# Altium PCB PS29_XYD.PCBDOC (part 2 of 3) (continued)
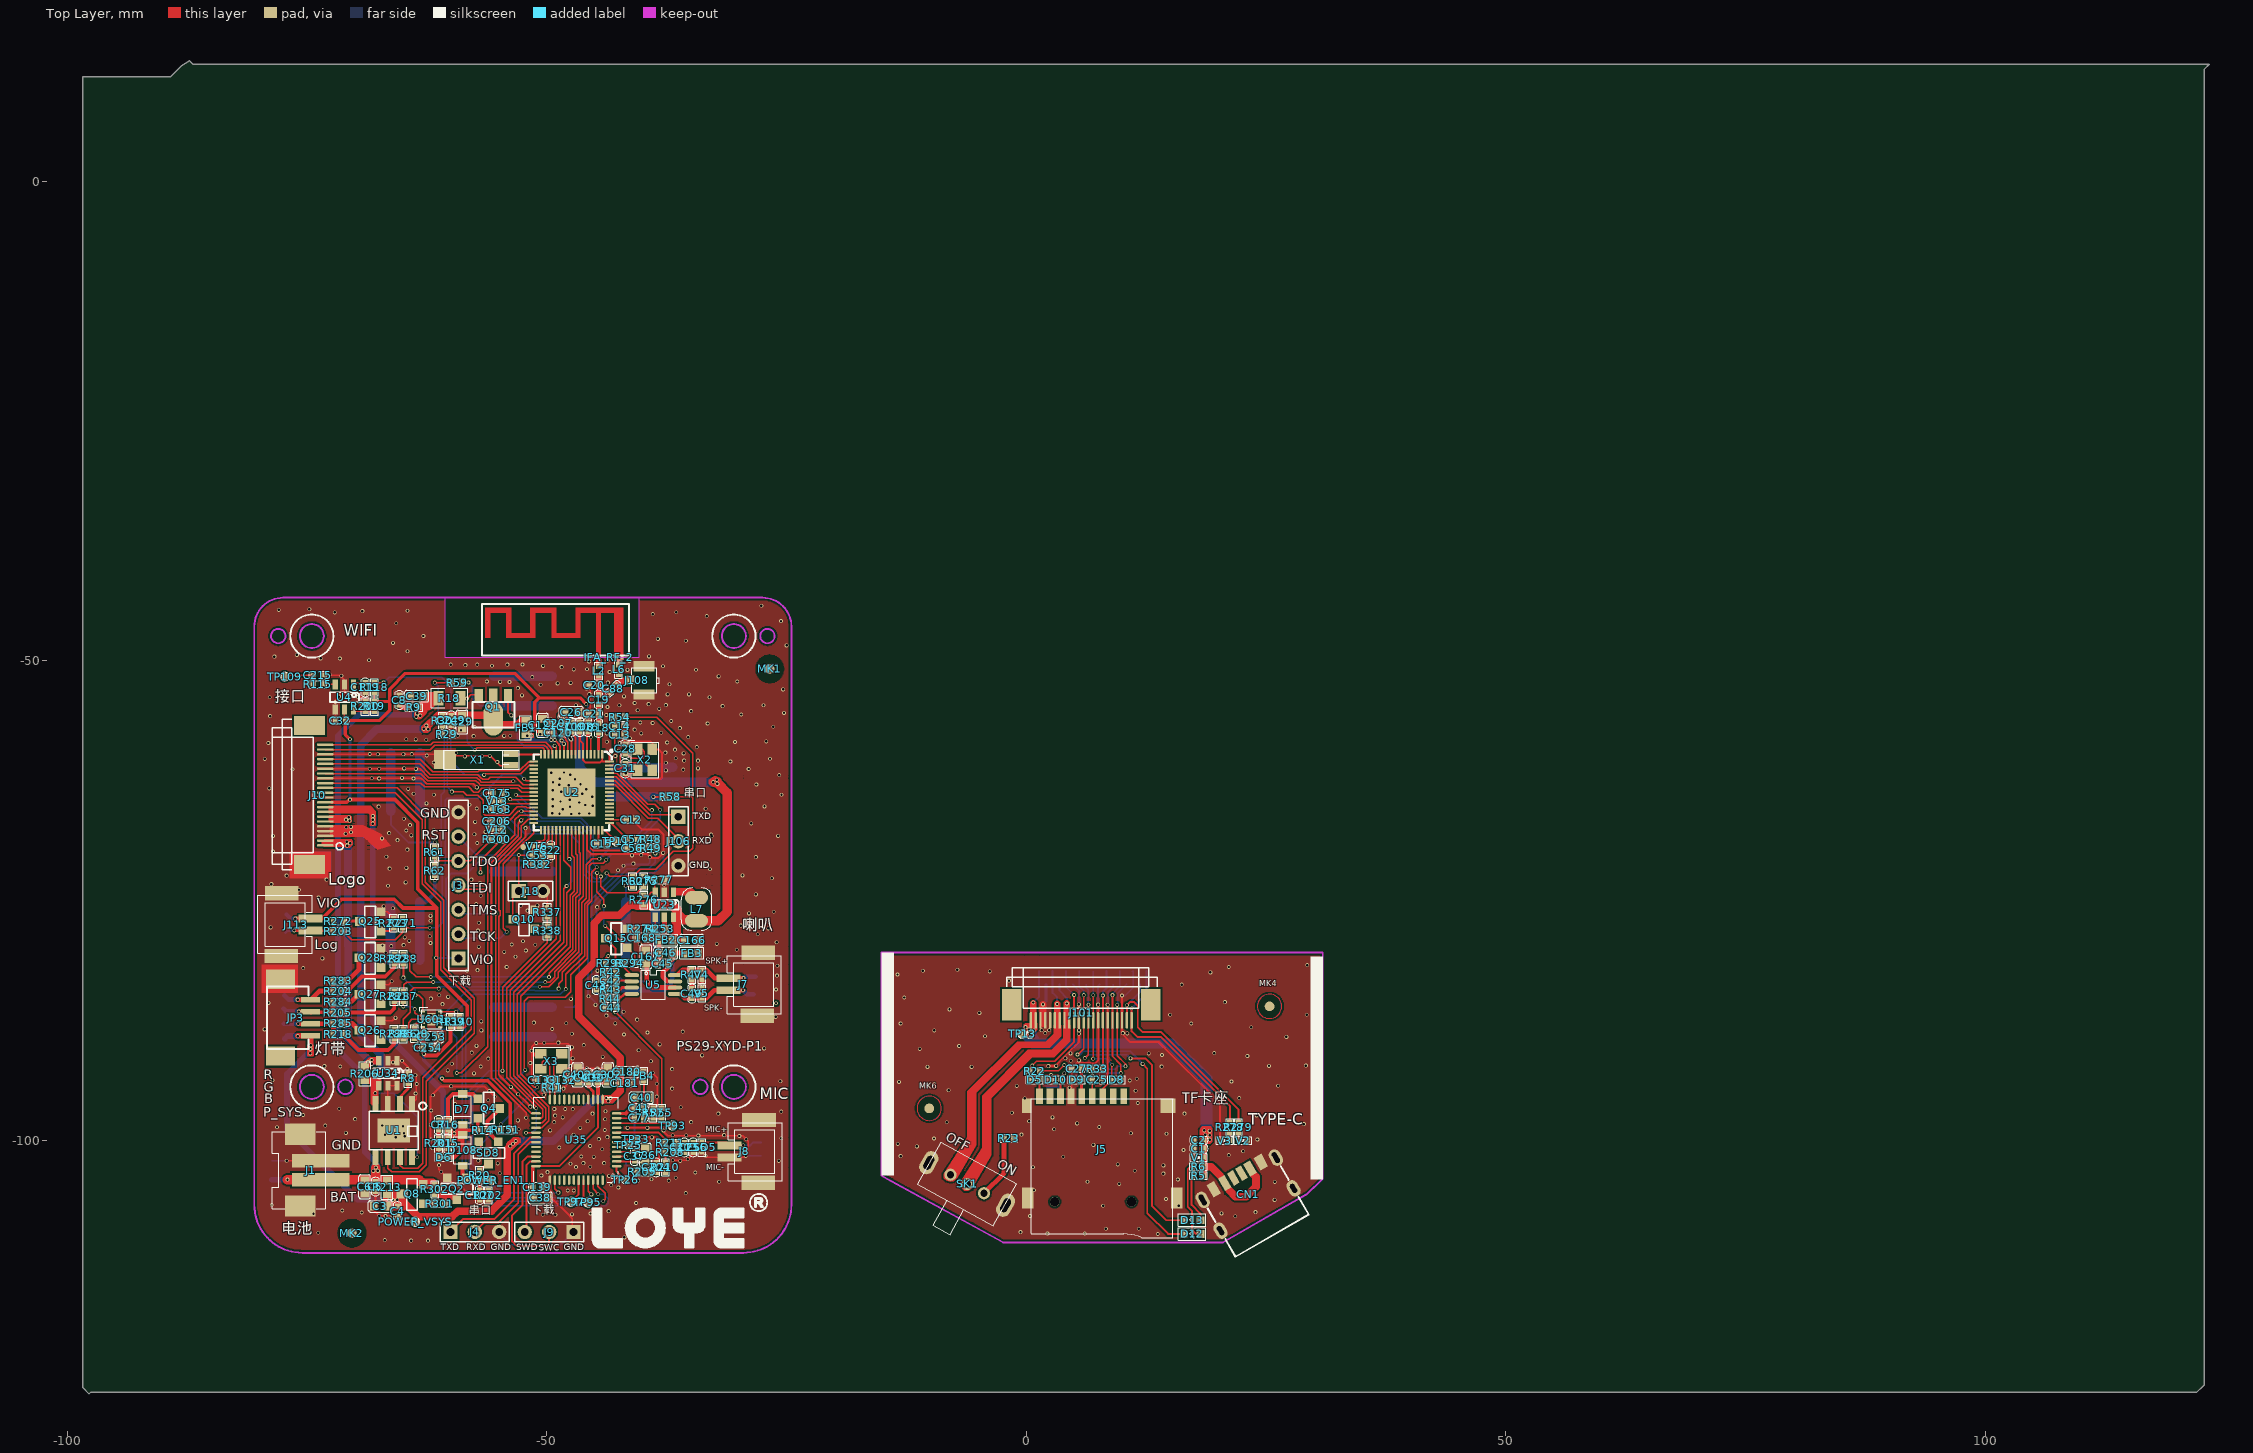
[diagram p0: Top Layer view]
## Nets (pads, with @x,y where several pads share a name; then routed paths per layer and width w, separated by ;. In a path a pad name is that pad's centre, name@x,y a point inside that pad or via, vN(x,y) a via of type N, cw(c..) or ccw(c..) an arc to the next point about the centre after c; other vN are vias at no path point) (continued)
  Top Layer w0.18: v1@2.297,-92.167 v1(2.297,-92.269) 2.971,-92.269 3.05,-92.19 3.925,-91.315 4.445,-90.795 5.48,-89.76 v1(5.48,-88.904) 5.48,-88.55 J101.11@5.48,-87.504 v1(5.48,-85.835) ; D10.2@2.509,-93.641 D10.2@2.559,-93.691 ; J5.6@4.664,-95.42 4.743,-95.341 4.743,-94.525 4.743,-93.702 C27.2@4.743,-92.777 ; C25.1@7.877,-93.691 C25.1@7.98,-93.589 ; v1(9.98,-84.915) J101.20@9.98,-87.504 9.98,-88.84 9.98,-88.92 9.985,-88.925 10.83,-89.77 13.82,-89.77 20.194,-96.144 V3.2@20.194,-100.045 ; V1.2@17.479,-101.81 C1.2@17.479,-100.885 C2.2@17.479,-99.985
  Top Layer w0.7: 1.738,-87.86 1.738,-87.504 ; 1.738,-87.403 v1(1.738,-85.846)
  Bottom Layer w0.15: v1(8.48,-85.883) 8.535,-85.828 8.535,-84.525 9.04,-84.02 pad.19@9.04,-83.751
  Bottom Layer w0.18: pad.15@4.84,-83.793 pad.15@4.84,-83.751 5.48,-84.39 v1(5.48,-85.835) v1@5.47,-85.825 ; v1(7.48,-85.869) 7.48,-83.911 pad.20@7.64,-83.751 ; v1(9.98,-84.915) 10.305,-84.915 11.14,-84.08 pad.23@11.14,-82.351 pad.23@11.08,-82.411
  Bottom Layer w0.3: v1(1.738,-85.846) 2.04,-85.544 pad.28@2.04,-83.751
  other v1: 13.695,-109.783 2.195,-109.732 6.095,-109.732 -0.605,-109.579 8.295,-109.224 11.715,-109.225 0.395,-107.903 21.774,-107.925 20.351,-107.625 23.895,-107.497 8.007,-106.825 15.881,-106.825 25.888,-106.225 14.56,-106.125 0.795,-105.211 9.695,-104.55 25.895,-104.347 6.381,-104.325 15.795,-104.093 14.295,-103.483 11.295,-103.179 0.692,-102.825 14.295,-102.62 9.531,-102.525 3.841,-101.725 -13.105,-101.655 21.095,-101.553 22.595,-101.147 16.389,-101.025 -11.405,-100.639 6.995,-100.486 -13.405,-100.385 24.095,-99.927 -9.621,-99.825 -0.505,-99.419 14.611,-99.325 10.895,-99.267 2.895,-98.861 7.6,-98.625 28.936,-98.325 5.295,-98.251 -8.3,-98.125 0.285,-98.025 2.724,-97.625 24.009,-97.425 16.49,-97.225 -1.505,-97.133 11.614,-96.125 -0.172,-95.625 22.195,-95.609 11.395,-94.847 -8.105,-94.797 4.502,-94.525 -1.005,-94.339 26.244,-94.325 7.753,-94.025 -13.278,-93.925 21.395,-93.882 10.78,-93.774 11.52,-93.59 2.58,-93.21 -10.305,-92.358 -5.705,-92.358 14.103,-92.325 25.295,-92.257 3.11,-92.25 29.14,-92.225 4.63,-91.72 5.48,-91.674 4.07,-91.46 23.044,-91.225 14.14,-91.12 4.6,-90.95 12.77,-90.95 19.589,-90.925 -11.105,-90.479 -7.005,-90.174 27.108,-89.225 -4.305,-89.158 10.53,-88.86 1.97,-88.83 10.07,-88.84 -9.605,-88.548 5.49,-88.55 1.59,-88.54 2.38,-88.54 23.45,-88.225 -13.105,-87.837 17.195,-87.837 14.995,-86.923 29.241,-86.925 -4.896,-86.725 -8.005,-86.364 20.695,-85.602 -12.72,-85.125 16.195,-83.773 -1.805,-83.367 -13.431,-82.725 19.195,-82.503 -3.805,-82.401 -10.789,-82.325 -7.182,-82.225 21.095,-81.944 29.295,-81.741
GPIO_A30: TP95.1 U35.44 | length 2.5
  Top Layer w0.2: U35.44@-46.168,-104.156 -46.168,-106.026 TP95.1@-45.702,-106.492
I2C_SCL: R140.1 U2.65 U35.47 U601.10 | length 81.1
  Top Layer w0.15: U601.10@-61.085,-86.592 -59.462,-86.592 v1(-59.442,-86.612) -59.187,-86.867 -59.187,-87.147 -59.187,-87.175 -59.165,-87.197 R140.1@-59.115,-87.247 ; v1(-48.022,-84.252) -48.022,-82.722 -46.052,-80.752 -46.052,-75.382 -45.592,-74.922 -45.592,-71.392 -45.302,-71.102 -44.132,-71.102 v1(-43.792,-70.762) ; U35.47@-44.668,-104.156 -44.668,-104.796 -43.912,-105.552 -43.912,-106.172 v1(-44.102,-106.362) ; U2.65@-43.459,-61.728 -43.453,-61.734 -42.718,-61.734 -39.49,-64.962 -38.762,-64.962 v1(-38.172,-65.552)
  Bottom Layer w0.15: v1(-48.022,-84.252) -48.572,-84.801 -57.632,-84.801 v1(-59.442,-86.612) -59.442,-87.442 -58.462,-88.422 -58.462,-103.072 -55.172,-106.362 v1@-44.112,-106.362 ; v1(-44.102,-106.362) v1@-44.112,-106.362 ; v1@-44.102,-106.352 -44.107,-106.357 v1@-44.112,-106.362 ; v1@-43.802,-70.762 -43.797,-70.757 -43.172,-70.131 -41.852,-70.131 -38.172,-66.452 v1(-38.172,-65.552)
I2C_SDA: R139.1 U2.64 U35.46 U601.9 | length 80.9
  Top Layer w0.15: U601.9@-61.085,-86.992 -60.422,-86.992 v1@-60.335,-86.992 ; R139.1@-60.1,-87.227 R139.1@-60.08,-87.247 ; v1(-48.762,-84.192) -48.762,-83.712 -48.362,-83.312 -48.362,-82.502 -46.352,-80.492 -46.352,-75.222 -45.902,-74.772 -45.902,-71.277 -45.277,-70.652 v1(-44.512,-70.652) ; U35.46@-45.168,-104.156 -45.168,-105.076 v1@-44.612,-105.632 ; U2.64@-43.459,-62.128 -42.748,-62.128 -39.284,-65.592 v1(-39.032,-65.592)
  Bottom Layer w0.15: v1@-48.752,-84.182 v1(-48.762,-84.192) -48.997,-84.427 -51.227,-84.427 -51.272,-84.382 -58.262,-84.382 -60.422,-86.542 v1(-60.422,-86.982) -58.832,-88.572 -58.832,-103.262 -55.252,-106.842 -43.822,-106.842 -43.572,-106.592 -43.572,-106.112 -44.042,-105.642 v1(-44.622,-105.642) ; v1(-44.512,-70.652) -43.432,-69.572 -41.932,-69.572 -39.032,-66.672 v1(-39.032,-65.592)
I2S1_BCLK: U2.42 U35.27 | length 35.8
  Top Layer w0.15: U35.27@-51.118,-98.206 -50.486,-98.206 -50.093,-97.813 -50.093,-96.655 -53.452,-93.296 -53.452,-84.562 -48.242,-79.352 -48.242,-73.802 -47.942,-73.502 v1(-47.922,-73.502) ; U2.42@-47.809,-67.677 -47.809,-70.525 v1(-47.642,-70.692)
  Bottom Layer w0.15: v1(-47.922,-73.502) -47.402,-72.982 -47.402,-72.901 ; v1(-47.642,-70.692) -47.402,-70.932 -47.402,-72.901 ; -47.402,-72.492 -47.402,-72.901
I2S1_DI: U2.39 U35.29 | length 37.1
  Top Layer w0.15: v1@-52.172,-99.206 v1@-52.162,-99.206 ; v1(-52.162,-99.222) -51.134,-99.222 U35.29@-51.118,-99.206 ; -51.437,-96.187 -51.612,-96.012 ; v1(-51.112,-96.662) -51.112,-96.512 -51.612,-96.012 ; U2.39@-49.009,-67.677 -49.009,-79.008 -54.162,-84.162 -54.162,-93.462 -51.612,-96.012
  Bottom Layer w0.15: v1@-52.162,-99.212 -52.172,-99.212 v1(-52.162,-99.222) -51.552,-99.222 -51.112,-98.782 v1(-51.112,-96.662)
I2S1_DO: U2.41 U35.28 | length 35.9
  Top Layer w0.15: U35.28@-51.118,-98.706 -50.516,-98.706 -49.793,-97.983 -49.793,-96.501 -53.092,-93.202 -53.092,-84.802 -47.912,-79.622 -47.912,-74.212 -47.497,-73.797 -47.497,-71.527 -48.209,-70.815 U2.41@-48.209,-67.677
I2S1_LRCLK: U2.40 U35.26 | length 34.2
  Top Layer w0.15: U35.26@-51.118,-97.706 -50.546,-97.706 -50.393,-97.553 -50.393,-96.78 -53.802,-93.371 -53.802,-84.342 -48.609,-79.148 U2.40@-48.609,-67.677
I2S1_MCLK: J3.3 U2.33 U35.25 | length 38.6
  Top Layer w0.15: -52.497,-67.087 -52.652,-67.242 -52.652,-68.366 -54.854,-70.568 -54.857,-70.568 -55.322,-71.033 v1(-55.322,-76.372) -55.322,-93.482 -51.598,-97.206 U35.25@-51.118,-97.206 ; -52.496,-67.087 -52.247,-66.838 ; -52.247,-66.837 -51.938,-66.527 U2.33@-51.358,-66.527
  Bottom Layer w0.15: J3.3@-59.202,-76.402 v1@-55.322,-76.402
KEY_LED: C175.2 R163.2 SW7.3 SW7.4 U2.29 V13.1 | length 39.4
  Top Layer w0.15: R163.2@-54.652,-65.522 -54.652,-65.042 V13.1@-54.652,-64.872 ; C175.2@-54.652,-63.832 V13.1@-54.652,-64.682 V13.1@-54.652,-64.872 ; U2.29@-51.358,-64.927 -54.597,-64.927 V13.1@-54.652,-64.872
  Bottom Layer w0.15: v1(-54.622,-65.042) -54.622,-65.712 -52.287,-68.047 -47.587,-68.047 -46.612,-69.022 -46.612,-85.552 -47.192,-86.132 -48.132,-86.132
  Bottom Layer w1: SW7.3@-55.53,-86.154 SW7.4@-49.434,-86.154
LDO12O: C402.1 C403.1 U35.15 | length 2.6
  Top Layer w0.3: C402.1@-46.778,-93.879 -45.766,-93.879 C403.1@-45.661,-93.984 ; -45.661,-94.398 -45.153,-94.906 U35.15@-45.153,-95.262
  Top Layer w0.4: -45.661,-94.398 C403.1@-45.661,-93.984
LDO33DO: C38.1 C139.1 C301.2 C302.1 U35.14 U35.36 | length 16.6
  Top Layer w0.2: U35.36@-51.118,-102.706 -48.676,-102.706 -44.668,-98.698 U35.14@-44.668,-95.756
  Top Layer w0.4: C38.1@-51.452,-105.922 -51.452,-104.902 U35.36@-51.452,-102.782 ; C38.1@-51.362,-106.112 C38.1@-51.362,-106.012 ; C301.2@-44.746,-93.984 -43.734,-93.984 C302.1@-43.629,-93.879 ; -44.668,-95.211 C301.2@-44.668,-94.062
LED_DRIVER1: U2.20
LED_DRIVER2: U2.21
LED_DRIVER3: U2.22
LILNEL: U2.59
LINEIN2_R: TP93.1 U35.10 | length 5.9
  Top Layer w0.15: U35.10@-42.718,-98.206 -42.712,-98.213 -37.152,-98.213 TP93.1@-36.892,-98.472
LINER: U2.60
LOG_LED: R203.1 R271.2 U2.23 | length 35.2
  Top Layer w0.15: R203.1@-71.233,-78.17 -71.222,-78.181 -70.301,-79.102 -65.792,-79.102 -65.016,-78.325 R271.2@-65.016,-77.856 v1@-62.192,-77.856 ; v1(-52.362,-62.322) -52.157,-62.527 U2.23@-51.358,-62.527
  Bottom Layer w0.15: v1@-62.184,-77.86 v1(-62.192,-77.852) -61.422,-77.852 -60.912,-77.342 -60.912,-71.552 -60.582,-71.222 -60.582,-64.582 -60.372,-64.372 -57.122,-64.372 -54.652,-61.902 -52.782,-61.902 v1(-52.362,-62.322)
LRADCIN: C206.2 J3.5 R54.2 R58.1 R59.1 R60.1 R61.1 R62.1 R300.1 U2.31 V12.1 | length 81.4
  Top Layer w0.15: R62.1@-61.682,-71.391 -61.682,-70.892 ; R61.1@-61.682,-70.472 -61.682,-70.892 ; v1@-61.682,-52.285 R59.1@-59.826,-52.285 ; V12.1@-54.692,-67.622 V12.1@-54.702,-67.622 ; U2.31@-51.358,-65.727 -52.642,-65.727 -52.958,-65.727 -53.952,-66.722 C206.2@-54.692,-66.722 -54.702,-66.732 V12.1@-54.702,-67.622 ; v1@-43.762,-72.172 -43.757,-72.177 -43.433,-72.501 R60.1@-41.032,-72.501 -40.263,-71.732 -38.652,-71.732 -36.812,-69.892 -35.153,-69.892 -34.802,-69.541 -34.802,-59.652 -38.532,-55.922 R54.2@-41.892,-55.922 ; R58.1@-36.602,-64.172 -34.832,-64.172 ; -61.682,-70.892 -61.392,-70.892 J3.5@-59.202,-70.892 -57.993,-70.892 R300.1@-55.713,-68.612 -54.723,-67.622 V12.1@-54.702,-67.622
  Bottom Layer w0.15: v1(-61.682,-52.292) -61.292,-52.682 -61.292,-56.611 -61.297,-56.616 -61.297,-57.457 -60.702,-58.052 -60.702,-63.692 -60.987,-63.976 -60.987,-70.426 -61.412,-70.852 v1@-61.422,-70.862 ; v1(-52.642,-65.702) -52.482,-65.702 -51.783,-66.401 -51.783,-67.498 -51.534,-67.747 -51.017,-67.747 -50.892,-67.622 -46.702,-67.622 -46.142,-68.182 -46.142,-72.292 -45.382,-73.052 -44.222,-73.052 -43.752,-72.582 v1(-43.752,-72.172)
  other v1: -61.392,-70.872
MIC3: R211.2 U35.8 | length 6.3
  Top Layer w0.2: U35.8@-42.718,-99.206 -41.546,-99.206 ; -42.058,-99.206 -41.546,-99.206 ; R211.2@-37.627,-100.291 -37.627,-99.907 -38.328,-99.206 -41.546,-99.206
MIC4: U35.9
MIC_BIAS: R209.2 U35.3 | length 3.3
  Top Layer w0.2: U35.3@-42.718,-101.706 v1(-41.757,-101.706) ; v1(-41.002,-103.282) -41.002,-103.284 -40.998,-103.288 R209.2@-40.522,-103.288
  Bottom Layer w0.2: v1(-41.757,-101.706) -41.757,-102.527 v1(-41.002,-103.282)
MICBIAS: U2.58
MICLN: U2.56
MICLP: U2.57
NetC7_1: C7.1 R201.2 | length 0.6
  Top Layer w0.4: R201.2@-61.272,-99.702 C7.1@-61.272,-99.061
NetC7_2: C7.2 D7.1 Q4.1 R16.1 | length 6.7
  Top Layer w0.4: C7.2@-61.256,-97.911 R16.1@-60.291,-97.911 -60.291,-95.68 -59.796,-95.186 D7.1@-58.767,-95.186 -57.692,-95.186 Q4.1@-57.185,-95.693
NetC8_1: C8.1 R9.2 | length 1.1
  Top Layer w0.5: C8.1@-65.371,-54.614 -65.109,-54.876 R9.2@-64.347,-54.876
NetC12_2: C12.2 U2.53 | length 1.7
  Top Layer w0.15: U2.53@-43.414,-66.572 C12.2@-41.711,-66.572
NetC15_2: C15.2 U2.50 | length 1.8
  Top Layer w0.2: C15.2@-44.609,-68.919 U2.50@-44.609,-67.677 -44.609,-68.28
NetC18_1: C18.1 C19.2 C21.1 | length 2.4
  Top Layer w0.559: C18.1@-44.582,-56.516 -44.582,-55.942 ; C21.1@-44.582,-55.568 -44.582,-55.942 ; C19.2@-44.582,-54.533 C19.2@-44.582,-54.563 -44.582,-55.538 -44.582,-55.942
NetC19_1: C19.1 C20.1 C88.2 L2.1 | length 3.2
  Top Layer w0.71: L2.1@-44.582,-51.58 -44.582,-52.544 -44.582,-53.532 cw(c-43.985,-54.129) -43.985,-53.285 C88.2@-43.426,-53.285
NetC22_2: C22.2 U2.38 | length 1.7
  Top Layer w0.15: C22.2@-49.564,-69.282 -49.409,-69.127 U2.38@-49.409,-67.677
NetC42_1: C42.1 U5.2 | length 1.6
  Top Layer w0.2: C42.1@-42.827,-83.369 U5.2@-41.213,-83.369
NetC43_1: C43.1 R43.1 | length 1
  Top Layer w0.15: C43.1@-44.828,-84.319 R43.1@-43.827,-84.319
NetC44_1: C44.1 R44.1 | length 0.9
  Top Layer w0.3: C44.1@-43.855,-86.138 R44.1@-43.855,-85.242
NetC49_1: C49.1 R47.2 | length 1
  Top Layer w0.5: C49.1@-34.868,-84.205 R47.2@-34.868,-83.247
NetC56_1: C56.1 R49.1 | length 0.9
  Top Layer w0.2: C56.1@-40.58,-69.58 R49.1@-39.67,-69.58 R49.1@-39.65,-69.58
NetC57_1: C57.1 R48.1 | length 0.9
  Top Layer w0.2: C57.1@-40.601,-68.627 R48.1@-39.671,-68.627
NetC77_1: C77.1 R55.2 R57.2 | length 1.9
  Top Layer w0.15: C77.1@-39.877,-97.7 -38.904,-97.7 R55.2@-37.998,-97.7
NetC88_1: C88.1 J108.1 | length 1.5
  Top Layer w0.381: J108.1@-41.472,-52.062 J108.1@-41.367,-52.062
  Top Layer w0.71: C88.1@-42.719,-52.578 cw(c-41.472,-53.825) J108.1@-41.472,-52.062
NetC109_1: C109.1 U2.8 | length 2.7
  Top Layer w0.2: C109.1@-47.471,-57.59 -47.439,-57.59 -47.428,-57.59 -47.008,-58.009 -47.008,-58.228 ; U2.8@-47.008,-59.777 -47.008,-58.686 ; -47.008,-58.481 -47.008,-58.686 ; -47.008,-58.109 -47.008,-58.228 ; -47.008,-58.686 -47.008,-58.228
NetC120_1: C120.1 U2.10 | length 2.5
  Top Layer w0.15: C120.1@-48.31,-57.517 -48.31,-57.872 -48.027,-58.155 -48.027,-58.258 -47.783,-58.502 -47.783,-59.752 U2.10@-47.808,-59.777
NetC203_1: C203.1 C256.1 ESD5.1 J8.2 R208.1 TP91.1 | length 9.3
  Top Layer w0.2: R208.1@-36.626,-101.256 C203.1@-35.653,-101.256 ; C203.1@-35.653,-101.248 -35.653,-101.176 -34.739,-100.262 C256.1@-34.739,-100.248 ESD5.1@-33.824,-100.248 J8.2@-31.234,-100.248 ; J8.2@-30.937,-100.545 v1(-29.506,-100.545)
  Bottom Layer w0.2: v1(-29.506,-100.545) -28.776,-100.545 -28.462,-100.232 TP91.1@-27.652,-100.232
NetC203_2: C203.2 R211.1 | length 0.9
  Top Layer w0.2: R211.1@-36.626,-100.291 C203.2@-35.696,-100.291
NetC204_2: C204.2 R209.1 R210.2 | length 1.8
  Top Layer w0.2: R209.1@-39.522,-103.288 -38.6,-103.288 R210.2@-37.677,-103.288
NetD12_1: D12.1 R6.1 | length 8.3
  Top Layer w0.2: R6.1@17.455,-102.753 17.111,-102.753 16.826,-103.039 16.826,-106.95 17.283,-107.407 17.283,-109.389 17.669,-109.775 D12.1@18.144,-109.775
NetD13_1: D13.1 R5.1 | length 4.8
  Top Layer w0.2: R5.1@17.232,-103.916 17.232,-106.747 18.144,-107.659 D13.1@18.144,-108.345
NetFB1_2: FB1.2 U2.12 | length 2.2
  Top Layer w0.2: FB1.2@-51.808,-57.822 FB1.2@-51.808,-57.692 ; v1(-49.522,-58.279) v1(-49.166,-58.279) -49.139,-58.279 -48.956,-58.463 -48.956,-58.472 -48.722,-58.705 -48.722,-58.8 -48.608,-58.915 U2.12@-48.608,-59.777
  other v1: -52.011,-57.822 -51.604,-57.822
NetIFA_RF_2_1: IFA_RF_2.1 L6.2 | length 0.8
  Top Layer w0.381: L6.2@-42.492,-50.414 IFA_RF_2.1@-42.492,-49.643
NetIFA_RF_2_2: IFA_RF_2.2 L2.2 | length 0.3
  Top Layer w0.71: L2.2@-44.582,-50.35 -44.582,-50.042
NetJ113_2: J113.2 pad.7 R203.2 R272.1 | length 6.1
  Top Layer w0.3: v1@-76.302,-78.142 J113.2@-74.609,-78.142 ; J113.2@-74.581,-78.17 -72.243,-78.17 -72.234,-78.17 R272.1@-72.234,-77.154
  Bottom Layer w0.3: pad.7@-77.232,-78.352 -77.022,-78.142 v1(-76.322,-78.142)
NetJP3_2: JP3.2 pad.3 R218.2 R285.1 | length 6.2
  Top Layer w0.5: v1@-75.891,-87.86 JP3.2@-74.613,-87.86 R285.1@-72.27,-87.86 ; R218.2@-72.253,-88.952 -72.241,-88.94 R285.1@-72.241,-87.832
  Bottom Layer w0.5: pad.3@-77.392,-87.862 v1(-75.912,-87.862)
NetJP3_3: JP3.3 pad.4 R205.2 R284.1 | length 7.2
  Top Layer w0.2: R205.2@-72.241,-86.693 -72.241,-86.692 -72.241,-86.61 R205.2@-72.237,-86.61 ; R284.1@-72.241,-85.607 R284.1@-72.241,-85.576
  Top Layer w0.4: v1(-75.832,-86.582) -74.613,-86.582 JP3.3@-73.922,-86.582 ; JP3.3@-74.563,-86.66 R205.2@-72.304,-86.66
  Top Layer w0.5: JP3.3@-74.613,-86.61 JP3.3@-74.563,-86.66 ; R205.2@-72.304,-86.66 R205.2@-72.273,-86.692 R284.1@-72.273,-85.607
  Bottom Layer w0.5: pad.4@-77.432,-86.302 -77.152,-86.582 v1(-75.832,-86.582)
NetJP3_4: JP3.4 pad.5 R204.2 R283.1 | length 6.8
  Top Layer w0.2: JP3.4@-74.613,-85.36 JP3.4@-74.492,-85.36 ; R204.2@-72.253,-84.458 -72.241,-84.458 R204.2@-72.241,-84.452
  Top Layer w0.5: v1@-75.951,-85.36 JP3.4@-74.613,-85.36 -73.705,-84.452 R204.2@-72.253,-84.452 -72.253,-83.402 R283.1@-72.241,-83.391
  Bottom Layer w0.5: pad.5@-77.332,-84.922 -76.912,-85.342 v1(-75.972,-85.342)
NetL7_1: L7.1 U23.1 | length 2.3
  Top Layer w0.8: -36.472,-74.092 -34.998,-74.092 L7.1@-34.382,-74.707
NetQ2_3: Q2.3 R301.2 R302.1 | length 2.1
  Top Layer w0.8: -61.232,-105.617 -59.974,-105.617 Q2.3@-59.386,-106.205
NetQ4_3: Q4.3 R14.1 SD8.1 | length 4.7
  Top Layer w0.4: Q4.3@-54.885,-96.693 -56.184,-97.992 R14.1@-56.184,-98.97 -56.184,-99.045 -55.06,-100.169 SD8.1@-54.88,-100.349
NetQ8_1: Q8.1 R301.1 | length 1
  Top Layer w0.6: Q8.1@-62.885,-106.6 R301.1@-61.862,-106.6
NetQ10_1: Q10.1 R337.1 R338.1 | length 2
  Top Layer w0.15: Q10.1@-50.94,-77.681 R338.1@-49.942,-77.681 R337.1@-49.942,-76.722
NetQ25_1: Q25.1 R271.1 R273.1 | length 2.8
  Top Layer w0.2: Q25.1@-67.258,-78.195 -66.319,-78.195 R273.1@-65.981,-77.856 ; R273.1@-65.981,-77.821 R271.1@-65.016,-76.856
NetQ25_3: Q25.3 R272.2 | length 1.7
  Top Layer w0.3: R272.2@-71.233,-77.154 R272.2@-71.223,-77.154 -69.599,-77.154 Q25.3@-69.558,-77.195
NetQ26_1: Q26.1 R280.1 | length 1.6
  Top Layer w0.2: Q26.1@-67.278,-89.532 -67.132,-89.532 R280.1@-66.134,-88.533
NetQ26_3: Q26.3 R285.2 | length 2
  Top Layer w0.5: R285.2@-71.241,-87.832 -70.278,-87.832 Q26.3@-69.578,-88.532
NetQ27_1: Q27.1 R281.1 | length 1.9
  Top Layer w0.2: Q27.1@-67.278,-85.805 -67.263,-85.79 -65.99,-84.517 R281.1@-65.899,-84.517
NetQ27_3: Q27.3 R284.2 | length 2
  Top Layer w0.5: R284.2@-71.241,-85.576 -70.379,-85.576 Q27.3@-69.578,-84.775
NetQ28_1: Q28.1 R282.1 | length 2.1
  Top Layer w0.2: Q28.1@-67.278,-82.096 Q28.1@-67.278,-81.996 -67.278,-81.984 R282.1@-65.899,-80.605
NetQ28_3: Q28.3 R283.2 | length 3.5
  Top Layer w0.2: Q28.3@-69.578,-81.262 -69.578,-81.112 Q28.3@-69.578,-80.996
  Top Layer w0.5: R283.2@-71.241,-83.391 -70.762,-83.391 -69.578,-82.208 Q28.3@-69.578,-81.112
NetR8_2: R8.2 U1.2 | length 2.5
  Top Layer w0.3: U1.2@-65.306,-96.185 -65.306,-95.495 -64.452,-94.642 R8.2@-64.452,-94.062
NetR19_1: R19.1 R200.2 U4.6 | length 2
  Top Layer w0.15: U4.6@-69.971,-55.271 R200.2@-68.927,-55.271 R19.1@-67.962,-55.271
NetR20_1: R20.1 SD8.3 | length 1.3
  Top Layer w0.2: R20.1@-56.989,-103.135 -56.503,-102.649 -56.07,-102.649 -55.881,-102.649 SD8.3@-55.891,-102.659
NetR23_1: R23.1 SK1.3 | length 6.6
  Top Layer w0.5: SK1.3@-4.416,-105.533 -2.318,-103.435 R23.1@-2.318,-99.787
NetR43_2: R43.2 U5.3 | length 1.8
  Top Layer w0.3: R43.2@-42.827,-84.319 -42.381,-84.319 -42.156,-84.094 U5.3@-41.138,-84.094
NetR44_2: R44.2 U5.4 | length 1.9
  Top Layer w0.3: R44.2@-42.854,-85.242 -42.397,-85.242 -41.9,-84.744 U5.4@-41.138,-84.744
NetR58_2: R58.2 SW2.3 SW2.4 | length 7.3
  Top Layer w0.2: v1(-38.882,-64.202) -37.873,-64.202 R58.2@-37.722,-64.052
  Bottom Layer w1: SW2.4@-43.28,-64.202 v1(-38.882,-64.202) SW2.3@-37.184,-64.202
NetR59_2: R59.2 SW3.3 SW3.4 | length 11.1
  Top Layer w0.2: R59.2@-58.826,-52.285 v1(-58.152,-52.285)
  Bottom Layer w0.2: v1(-58.152,-52.285) -58.149,-52.285 -57.717,-52.717 -57.717,-53.967 -56.982,-54.702 SW3.4@-55.53,-54.702
  Bottom Layer w1: SW3.4@-55.53,-54.702 SW3.3@-49.434,-54.702
NetR60_2: R60.2 SW4.3 SW4.4 | length 8.5
  Top Layer w0.2: v1(-41.772,-73.472) R60.2@-41.063,-73.472
  Bottom Layer w0.2: SW4.4@-41.756,-75.13 -41.756,-73.472 v1@-41.756,-73.456
  Bottom Layer w1: SW4.3@-41.756,-81.226 SW4.4@-41.756,-75.13
NetR61_2: R61.2 SW5.3 SW5.4 | length 14.3
  Top Layer w0.2: R61.2@-61.682,-69.471 v1(-61.682,-68.942)
  Bottom Layer w0.2: SW5.3@-66.256,-65.726 -66.256,-67.102 -64.416,-68.942 -62.692,-68.942 ; -63.622,-68.942 -62.692,-68.942 ; v1(-61.682,-68.942) -62.692,-68.942
  Bottom Layer w1: SW5.3@-66.256,-65.726 SW5.4@-66.256,-59.63
NetR62_2: R62.2 SW6.3 SW6.4 | length 9.8
  Top Layer w0.15: v1@-61.688,-72.797 R62.2@-61.688,-72.397
  Bottom Layer w0.4: SW6.3@-63.223,-75.119 -62.53,-75.119 -61.682,-74.272 v1(-61.682,-72.902)
  Bottom Layer w1: SW6.4@-63.223,-81.215 SW6.3@-63.223,-75.119
NetR115_1: R115.1 U4.3 | length 1.3
  Top Layer w0.15: R115.1@-73.355,-52.488 U4.3@-72.054,-52.488
NetR208_2: R208.2 R210.1 | length 0.9
  Top Layer w0.2: R208.2@-37.634,-101.264 R208.2@-37.627,-101.256 R210.1@-37.627,-102.17
NetR253_1: R253.1 R274.2 U23.4 | length 2.1
  Top Layer w0.15: R274.2@-39.573,-77.939 -38.663,-77.939 R253.1@-38.643,-77.939 ; R253.1@-38.686,-77.895 U23.4@-38.686,-76.75
NetR275_2: R275.2 R276.2 R277.2 U23.3 | length 3.8
  Top Layer w0.15: R276.2@-39.87,-74.448 -39.379,-74.448 -39.08,-74.15 U23.3@-38.686,-74.15 ; R275.2@-39.87,-72.507 -39.096,-72.507 R277.2@-38.744,-72.859 U23.3@-38.744,-74.091
NetR278_2: R278.2 V3.1 | length 0.9
  Top Layer w0.2: V3.1@21.224,-100.015 R278.2@21.224,-99.145
NetR279_2: R279.2 V2.1 | length 0.9
  Top Layer w0.2: V2.1@22.094,-100.045 R279.2@22.094,-99.165
NetR300_2: R300.2 SW1.3 SW1.4 | length 10.5
  Top Layer w0.2: v1@-56.892,-72.112 -56.892,-72.082 -56.892,-70.792 R300.2@-54.712,-68.612
  Bottom Layer w1: SW1.4@-55.532,-71.982 SW1.3@-49.436,-71.982
  other v1: -56.902,-72.082
OUTB: R218.1 R280.2 R286.1 U601.3 | length 11.9
  Top Layer w0.15: R286.1@-64.954,-89.421 -64.572,-89.421 -64.392,-89.242 -64.392,-87.732 -64.053,-87.392 U601.3@-62.935,-87.392
  Top Layer w0.2: -65.919,-89.772 R280.2@-65.919,-89.421 R286.1@-64.954,-89.421
  Top Layer w0.4: R218.1@-71.252,-88.952 -69.612,-90.592 -66.519,-90.592 -65.919,-89.992 R280.2@-65.919,-89.421
OUTG: R205.1 R281.2 R287.2 U601.2 | length 10.4
  Top Layer w0.15: v1@-64.934,-86.06 R287.2@-64.934,-85.517 ; v1(-63.752,-86.332) -63.752,-86.692 -63.452,-86.992 -63.212,-86.992
  Top Layer w0.2: R281.2@-65.899,-85.517 R287.2@-64.934,-85.517 ; -63.212,-86.992 U601.2@-62.935,-86.992
  Top Layer w0.4: R205.1@-71.241,-86.693 -66.314,-86.693 -65.899,-86.278 R281.2@-65.899,-85.517
  Bottom Layer w0.15: v1(-64.952,-86.062) -64.022,-86.062 v1(-63.752,-86.332)
OUTR: R204.1 R282.2 R288.2 U601.1 | length 13.8
  Top Layer w0.15: v1(-63.692,-84.872) -63.35,-84.872 -62.935,-85.287 U601.1@-62.935,-86.592
  Top Layer w0.2: R282.2@-65.899,-81.605 R288.2@-64.934,-81.605 v1@-64.934,-83.05
  Top Layer w0.4: R204.1@-71.252,-84.452 -70.782,-84.452 -69.272,-82.942 -66.829,-82.942 -65.899,-82.012 R282.2@-65.899,-81.605
  Bottom Layer w0.15: v1(-64.942,-83.052) -63.692,-84.302 v1(-63.692,-84.872)
PA_5V: C45.2 C46.2 C167.2 C168.2 FB2.2 R253.2 R293.1 U5.6 U23.5 | length 19.5
  Top Layer w0.2: R293.1@-43.845,-81.535 -43.845,-81.054 v1(-43.59,-80.8)
  Top Layer w0.5: C168.2@-39.573,-78.904 FB2.2@-38.487,-78.904 ; U23.5@-37.736,-76.75 -37.736,-77.979 -37.736,-78.56 -38.284,-79.107 FB2.2@-38.284,-79.127 C46.2@-38.284,-80.479 -38.284,-81.491 C45.2@-38.389,-81.596 -39.554,-81.596 -39.565,-81.585 -39.565,-83.425 -39.489,-83.501 -38.896,-84.094 U5.6@-36.622,-84.094
  Bottom Layer w0.2: v1(-43.59,-80.8) -43.59,-81.789 -42.309,-83.071 ; -42.055,-83.325 -42.309,-83.071 ; v1(-39.463,-83.476) -41.904,-83.476 -42.309,-83.071
PAGND: C42.2 C43.2 C45.1 C46.1 FB3.1 R42.2 U5.7 | length 16.9
  Top Layer w0.5: C43.2@-44.828,-83.319 C42.2@-43.877,-83.319 ; C42.2@-43.827,-83.369 v1(-43.827,-82.968) R42.2@-43.827,-82.469 ; -37.431,-83.425 -37.888,-82.968 -37.888,-82.511 -37.388,-82.011 C45.1@-37.388,-81.596 -36.927,-81.135 -36.884,-81.092 C46.1@-36.884,-80.479 FB3.1@-35.591,-80.479
  Bottom Layer w0.5: v1(-43.827,-82.968) -42.456,-84.34 -37.787,-84.34 -36.923,-83.476 v1(-36.923,-81.139)
POWER_1: C5.2 C6.2 C39.2 J1.1 J10.6 J10.7 pad.0@-78.652,-104.132 Q8.2 R9.1 R18.1 R213.2 R302.2 U1.5 | length 78.1
  Top Layer w1: v1@-77.022,-104.125 J1.1@-73.54,-104.125 -68.978,-104.125 -67.86,-104.125 -66.641,-104.125 -63.309,-104.125 Q8.2@-63.072,-104.362 ; -67.842,-103.832 -67.842,-103.202 v1@-67.842,-102.872 ; v1@-63.352,-55.662 -63.312,-55.622 -62.957,-55.266 -62.912,-55.222 -62.912,-54.876 -62.912,-54.702 -62.351,-54.702 -62.099,-54.45 R18.1@-61.421,-53.772 ; Q8.2@-62.9,-104.512 -62.891,-104.512 R302.2@-61.912,-104.512 ; -62.312,-53.772 R18.1@-61.421,-53.772 ; R18.1@-61.282,-53.91 R18.1@-61.421,-53.772
  Bottom Layer w0.6: pad.0@-78.652,-104.132 v1@-77.042,-104.132 ; -67.812,-103.162 v1(-67.812,-102.842) -67.812,-102.372 -68.972,-101.212 -68.972,-93.352 -71.752,-90.572 -71.752,-57.822 -69.572,-55.642 -63.602,-55.642 -63.512,-55.642 v1@-63.232,-55.642
  other v1: -77.022,-104.112 -68.072,-103.202 -67.602,-103.202 -70.562,-66.692 -70.922,-66.582 -70.622,-66.342 -63.602,-55.872 -63.202,-55.732 -63.512,-55.502
POWER_2: D6.1 D7.2 D108.2 J10.8 J10.9 Q4.2 R14.2 R15.2 R16.2 | length 41
  Top Layer w0.4: D6.1@-60.242,-101.802 -59.642,-101.802 -58.767,-100.926 D108.2@-58.767,-99.453 ; -58.767,-98.911 -58.481,-98.911 ; -58.481,-98.97 R14.2@-57.185,-98.97 ; R14.2@-57.185,-98.97 Q4.2@-57.185,-97.693
  Bottom Layer w0.6: v1(-68.132,-66.992) -68.132,-87.592 -60.782,-94.942 -60.782,-98.082 -60.262,-98.602
  other v1: -59.642,-99.792 -60.122,-99.352 -59.642,-99.302 -59.652,-98.892 -68.122,-66.582 -68.122,-66.202
POWER_EN: C107.2 D108.1 POWER_EN1.1 Q2.1 R20.2 R202.1 | length 5.7
  Top Layer w0.4: D108.1@-58.767,-102.653 -58.767,-103.524 Q2.1@-58.386,-103.905 ; Q2.1@-58.129,-104.162 -56.989,-104.162 POWER_EN1.1@-55.762,-104.162 ; R20.2@-56.989,-104.245 C107.2@-56.989,-105.226 R202.1@-56.075,-105.227
POWER_KEY1: J101.6 J101.7 pad.27 SK1.1 | length 5.6
  Top Layer w0.7: 3.211,-87.758 3.211,-87.504 v1(3.211,-85.795)
  Bottom Layer w0.2: pad.27@2.74,-82.351 2.74,-84.637 3.211,-85.108 v1(3.211,-85.795)
POWER_KEY2: J101.8 J101.9 pad.26 SK1.2 | length 4.3
  Top Layer w0.7: 4.227,-87.708 4.227,-87.504 v1(4.227,-85.745)
  Bottom Layer w0.2: pad.26@3.44,-83.751 3.44,-84.388 4.227,-85.175 v1(4.227,-85.745)